# KiCad board Leopold Replacement.kicad_pcb (continued)
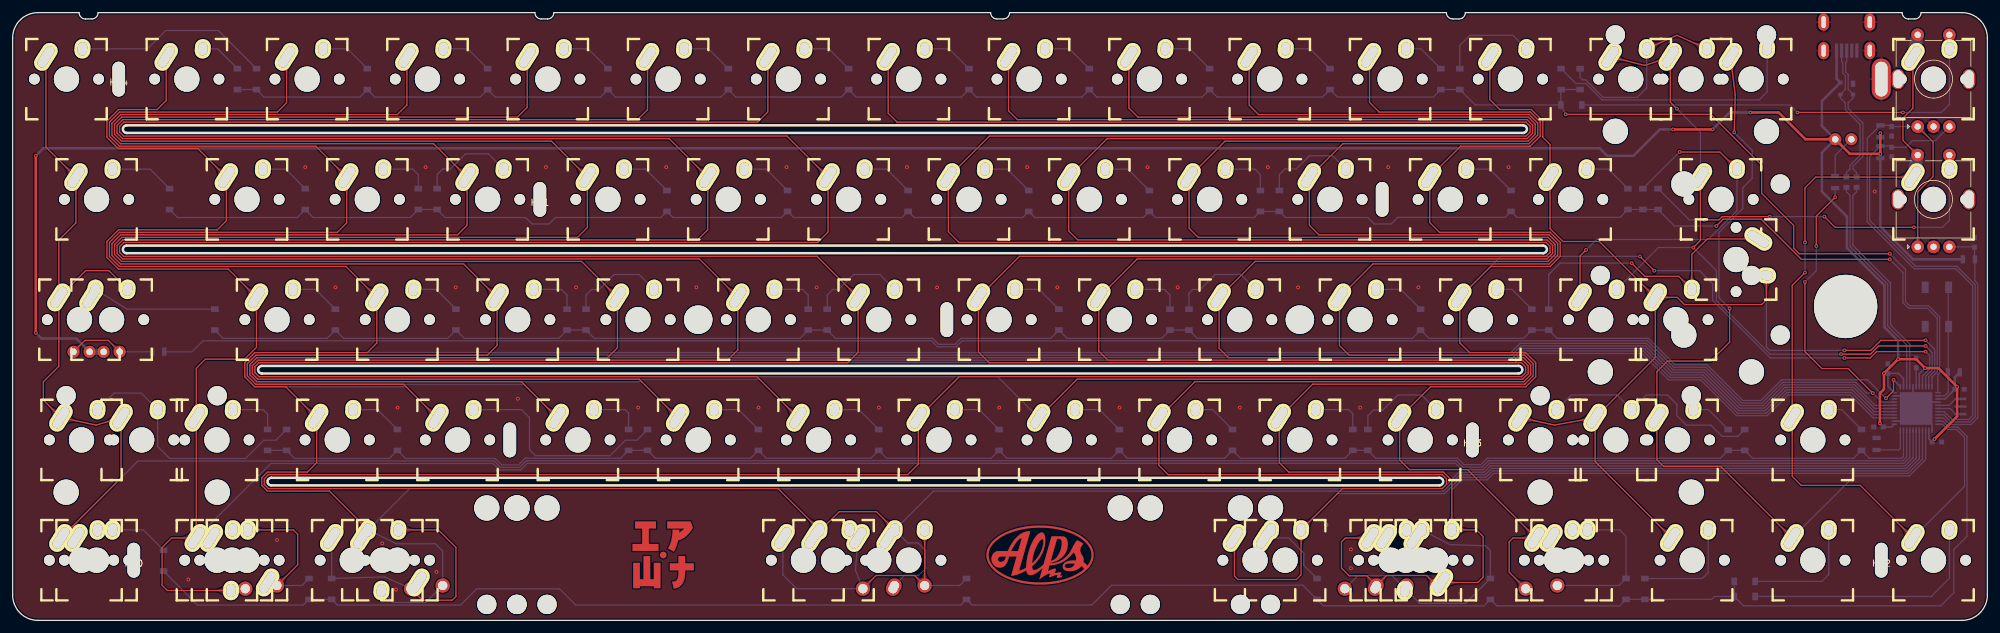
[diagram p0: board, top side]
## Copper pours and planes (outline as drawn; the poured copper is in the pictures) (continued)
Net-(D62-Pad2) on Bottom: 306.08,68.55 306.08,68.62 306.08,68.7 306.09,68.77 306.09,68.84 306.1,68.91 306.11,68.98 306.12,69.05 306.14,69.12 306.15,69.19 306.17,69.26 306.18,69.32 306.2,69.39 306.23,69.45 306.25,69.52 306.27,69.58 306.3,69.64 306.33,69.71 306.36,69.77 306.39,69.83 306.42,69.89 306.46,69.94 306.5,70 306.54,70.06 306.58,70.11 306.62,70.17 306.66,70.22 306.71,70.28 306.76,70.33 306.8,70.38 306.86,70.43 305.98,71.95 305.11,70.43 305.16,70.38 305.2,70.33 305.25,70.28 305.3,70.22 305.34,70.17 305.38,70.11 305.42,70.06 305.46,70 305.5,69.94 305.54,69.89 305.57,69.83 305.6,69.77 305.63,69.71 305.66,69.64 305.69,69.58 305.71,69.52 305.73,69.45 305.76,69.39 305.78,69.32 305.79,69.26 305.81,69.19 305.82,69.12 305.84,69.05 305.85,68.98 305.86,68.91 305.87,68.84 305.87,68.77 305.88,68.7 305.88,68.62 305.88,68.55
Net-(D63-Pad2) on Top: 64.76,3.33 64.71,3.37 64.66,3.42 64.62,3.47 64.58,3.52 64.54,3.57 64.5,3.62 64.47,3.67 64.43,3.72 64.4,3.77 64.36,3.82 64.33,3.88 64.31,3.93 64.28,3.99 64.25,4.04 64.23,4.1 64.21,4.15 64.19,4.21 64.17,4.27 64.15,4.32 64.13,4.38 64.12,4.44 64.11,4.5 64.09,4.56 64.08,4.62 64.08,4.68 64.07,4.74 64.06,4.8 64.06,4.87 64.06,4.93 64.06,4.99 62.54,5.4 62.95,3.88 63.01,3.88 63.07,3.88 63.14,3.88 63.2,3.87 63.26,3.86 63.32,3.86 63.38,3.85 63.44,3.83 63.5,3.82 63.56,3.81 63.62,3.79 63.67,3.77 63.73,3.75 63.79,3.73 63.84,3.71 63.9,3.69 63.95,3.66 64.01,3.63 64.06,3.61 64.12,3.58 64.17,3.54 64.22,3.51 64.27,3.47 64.32,3.44 64.37,3.4 64.42,3.36 64.47,3.32 64.52,3.28 64.57,3.23 64.61,3.18
Net-(D63-Pad2) on Top: 63.7,14.4 63.63,14.4 63.55,14.4 63.48,14.4 63.41,14.41 63.34,14.42 63.27,14.43 63.2,14.44 63.13,14.45 63.06,14.47 62.99,14.48 62.93,14.5 62.86,14.52 62.8,14.54 62.73,14.56 62.67,14.59 62.61,14.62 62.55,14.64 62.48,14.67 62.42,14.71 62.37,14.74 62.31,14.78 62.25,14.81 62.19,14.85 62.14,14.89 62.08,14.93 62.03,14.98 61.97,15.02 61.92,15.07 61.87,15.12 61.82,15.17 60.3,14.3 61.82,13.42 61.87,13.47 61.92,13.52 61.97,13.57 62.03,13.61 62.08,13.66 62.14,13.7 62.19,13.74 62.25,13.78 62.31,13.82 62.37,13.85 62.42,13.88 62.48,13.92 62.55,13.95 62.61,13.97 62.67,14 62.73,14.03 62.8,14.05 62.86,14.07 62.93,14.09 62.99,14.11 63.06,14.13 63.13,14.14 63.2,14.15 63.27,14.16 63.34,14.17 63.41,14.18 63.48,14.19 63.55,14.19 63.63,14.19 63.7,14.2
Net-(D63-Pad2) on Bottom: 60.63,5.92 60.69,5.89 60.75,5.86 60.81,5.83 60.87,5.8 60.92,5.77 60.97,5.74 61.03,5.7 61.08,5.67 61.13,5.63 61.18,5.59 61.22,5.56 61.27,5.52 61.32,5.48 61.36,5.43 61.4,5.39 61.44,5.35 61.48,5.3 61.52,5.25 61.56,5.21 61.59,5.16 61.63,5.11 61.66,5.06 61.69,5.01 61.72,4.95 61.75,4.9 61.78,4.84 61.81,4.79 61.83,4.73 61.86,4.67 61.88,4.61 63.45,4.78 62.52,6.05 62.46,6.03 62.4,6.01 62.34,5.99 62.28,5.97 62.22,5.95 62.16,5.94 62.1,5.93 62.04,5.92 61.98,5.91 61.92,5.9 61.86,5.89 61.8,5.89 61.74,5.89 61.68,5.89 61.62,5.89 61.56,5.89 61.5,5.89 61.44,5.9 61.38,5.91 61.32,5.92 61.26,5.93 61.2,5.94 61.14,5.96 61.08,5.97 61.02,5.99 60.96,6.01 60.9,6.03 60.84,6.05 60.78,6.08 60.71,6.1
Net-(D63-Pad2) on Bottom: 50.5,10.25 50.5,10.32 50.5,10.4 50.51,10.47 50.51,10.54 50.52,10.61 50.53,10.68 50.54,10.75 50.55,10.82 50.57,10.89 50.58,10.96 50.6,11.02 50.62,11.09 50.64,11.15 50.67,11.22 50.69,11.28 50.72,11.34 50.75,11.41 50.78,11.47 50.81,11.53 50.84,11.59 50.88,11.64 50.92,11.7 50.95,11.76 50.99,11.81 51.04,11.87 51.08,11.92 51.13,11.98 51.17,12.03 51.22,12.08 51.27,12.13 50.4,13.65 49.52,12.13 49.57,12.08 49.62,12.03 49.67,11.98 49.72,11.92 49.76,11.87 49.8,11.81 49.84,11.76 49.88,11.7 49.92,11.64 49.95,11.59 49.99,11.53 50.02,11.47 50.05,11.41 50.08,11.34 50.1,11.28 50.13,11.22 50.15,11.15 50.17,11.09 50.19,11.02 50.21,10.96 50.23,10.89 50.24,10.82 50.26,10.75 50.27,10.68 50.28,10.61 50.28,10.54 50.29,10.47 50.3,10.4 50.3,10.32 50.3,10.25
Net-(D64-Pad2) on Bottom: 267.96,11.52 267.96,11.59 267.96,11.67 267.97,11.74 267.97,11.81 267.98,11.88 267.99,11.95 268,12.02 268.02,12.09 268.03,12.16 268.05,12.23 268.06,12.29 268.08,12.36 268.11,12.42 268.13,12.49 268.15,12.55 268.18,12.61 268.21,12.68 268.24,12.74 268.27,12.8 268.3,12.86 268.34,12.91 268.38,12.97 268.42,13.03 268.46,13.08 268.5,13.14 268.54,13.19 268.59,13.25 268.64,13.3 268.68,13.35 268.73,13.4 267.86,14.92 266.98,13.4 267.04,13.35 267.08,13.3 267.13,13.25 267.18,13.19 267.22,13.14 267.26,13.08 267.3,13.03 267.34,12.97 267.38,12.91 267.42,12.86 267.45,12.8 267.48,12.74 267.51,12.68 267.54,12.61 267.57,12.55 267.59,12.49 267.61,12.42 267.64,12.36 267.66,12.29 267.67,12.23 267.69,12.16 267.7,12.09 267.72,12.02 267.73,11.95 267.74,11.88 267.75,11.81 267.75,11.74 267.76,11.67 267.76,11.59 267.76,11.52
Net-(D65-Pad2) on Bottom: 287.02,11.52 287.02,11.59 287.02,11.67 287.03,11.74 287.03,11.81 287.04,11.88 287.05,11.95 287.06,12.02 287.08,12.09 287.09,12.16 287.11,12.23 287.12,12.29 287.14,12.36 287.17,12.42 287.19,12.49 287.21,12.55 287.24,12.61 287.27,12.68 287.3,12.74 287.33,12.8 287.36,12.86 287.4,12.91 287.44,12.97 287.48,13.03 287.52,13.08 287.56,13.14 287.6,13.19 287.65,13.25 287.7,13.3 287.74,13.35 287.8,13.4 286.92,14.92 286.05,13.4 286.1,13.35 286.14,13.3 286.19,13.25 286.24,13.19 286.28,13.14 286.32,13.08 286.36,13.03 286.4,12.97 286.44,12.91 286.48,12.86 286.51,12.8 286.54,12.74 286.57,12.68 286.6,12.61 286.63,12.55 286.65,12.49 286.67,12.42 286.7,12.36 286.72,12.29 286.73,12.23 286.75,12.16 286.76,12.09 286.78,12.02 286.79,11.95 286.8,11.88 286.81,11.81 286.81,11.74 286.82,11.67 286.82,11.59 286.82,11.52
Net-(D66-Pad2) on Bottom: 306.08,11.52 306.08,11.59 306.08,11.67 306.09,11.74 306.09,11.81 306.1,11.88 306.11,11.95 306.12,12.02 306.14,12.09 306.15,12.16 306.17,12.23 306.18,12.29 306.2,12.36 306.23,12.42 306.25,12.49 306.27,12.55 306.3,12.61 306.33,12.68 306.36,12.74 306.39,12.8 306.42,12.86 306.46,12.91 306.5,12.97 306.54,13.03 306.58,13.08 306.62,13.14 306.66,13.19 306.71,13.25 306.76,13.3 306.8,13.35 306.86,13.4 305.98,14.92 305.11,13.4 305.16,13.35 305.2,13.3 305.25,13.25 305.3,13.19 305.34,13.14 305.38,13.08 305.42,13.03 305.46,12.97 305.5,12.91 305.54,12.86 305.57,12.8 305.6,12.74 305.63,12.68 305.66,12.61 305.69,12.55 305.71,12.49 305.73,12.42 305.76,12.36 305.78,12.29 305.79,12.23 305.81,12.16 305.82,12.09 305.84,12.02 305.85,11.95 305.86,11.88 305.87,11.81 305.87,11.74 305.88,11.67 305.88,11.59 305.88,11.52
Net-(D67-Pad2) on Bottom: 200.55,13.13 200.48,13.13 200.4,13.13 200.33,13.13 200.26,13.14 200.19,13.15 200.12,13.16 200.05,13.17 199.98,13.18 199.91,13.2 199.84,13.21 199.78,13.23 199.71,13.25 199.65,13.27 199.58,13.29 199.52,13.32 199.46,13.35 199.4,13.37 199.34,13.4 199.28,13.44 199.22,13.47 199.16,13.51 199.1,13.54 199.04,13.58 198.99,13.62 198.93,13.66 198.88,13.71 198.82,13.75 198.77,13.8 198.72,13.85 198.67,13.9 197.15,13.03 198.67,12.15 198.72,12.2 198.77,12.25 198.82,12.3 198.88,12.34 198.93,12.39 198.99,12.43 199.04,12.47 199.1,12.51 199.16,12.55 199.22,12.58 199.28,12.61 199.34,12.65 199.4,12.68 199.46,12.7 199.52,12.73 199.58,12.76 199.65,12.78 199.71,12.8 199.78,12.82 199.84,12.84 199.91,12.86 199.98,12.87 200.05,12.88 200.12,12.89 200.19,12.9 200.26,12.91 200.33,12.92 200.4,12.92 200.48,12.92 200.55,12.93
Net-(D68-Pad2) on Bottom: 225.12,13.1 225.05,13.13 224.99,13.17 224.93,13.21 224.86,13.25 224.8,13.29 224.75,13.33 224.69,13.37 224.63,13.41 224.58,13.46 224.53,13.5 224.48,13.55 224.43,13.6 224.38,13.65 224.34,13.7 224.29,13.75 224.25,13.8 224.21,13.85 224.17,13.91 224.13,13.96 224.09,14.02 224.06,14.08 224.02,14.14 223.99,14.2 223.96,14.26 223.93,14.33 223.9,14.39 223.88,14.45 223.85,14.52 223.83,14.59 223.81,14.66 222.06,14.58 223,13.11 223.07,13.13 223.13,13.15 223.2,13.16 223.27,13.18 223.34,13.19 223.41,13.21 223.48,13.22 223.54,13.22 223.61,13.23 223.68,13.23 223.75,13.24 223.82,13.24 223.88,13.24 223.95,13.23 224.02,13.23 224.09,13.22 224.15,13.21 224.22,13.2 224.29,13.19 224.36,13.17 224.42,13.16 224.49,13.14 224.56,13.12 224.62,13.09 224.69,13.07 224.76,13.04 224.83,13.02 224.89,12.99 224.96,12.95 225.02,12.92
Net-(D68-Pad2) on Bottom: 221.79,3.33 221.74,3.37 221.7,3.42 221.65,3.47 221.61,3.52 221.57,3.57 221.53,3.62 221.5,3.67 221.46,3.72 221.43,3.77 221.4,3.82 221.37,3.88 221.34,3.93 221.31,3.99 221.29,4.04 221.26,4.1 221.24,4.15 221.22,4.21 221.2,4.27 221.18,4.32 221.17,4.38 221.15,4.44 221.14,4.5 221.13,4.56 221.12,4.62 221.11,4.68 221.1,4.74 221.1,4.8 221.09,4.87 221.09,4.93 221.09,4.99 219.57,5.4 219.98,3.88 220.04,3.88 220.11,3.88 220.17,3.88 220.23,3.87 220.29,3.86 220.35,3.86 220.41,3.85 220.47,3.83 220.53,3.82 220.59,3.81 220.65,3.79 220.71,3.77 220.76,3.75 220.82,3.73 220.88,3.71 220.93,3.69 220.99,3.66 221.04,3.63 221.09,3.61 221.15,3.58 221.2,3.54 221.25,3.51 221.3,3.47 221.35,3.44 221.4,3.4 221.45,3.36 221.5,3.32 221.55,3.28 221.6,3.23 221.65,3.18
Net-(D68-Pad2) on Bottom: 222,3.11 221.95,3.15 221.9,3.18 221.85,3.22 221.8,3.26 221.75,3.3 221.71,3.34 221.67,3.38 221.63,3.42 221.59,3.47 221.55,3.51 221.52,3.56 221.48,3.61 221.45,3.66 221.42,3.71 221.39,3.76 221.37,3.82 221.34,3.87 221.32,3.93 221.3,3.99 221.28,4.04 221.27,4.1 221.25,4.17 221.24,4.23 221.23,4.29 221.22,4.36 221.21,4.42 221.2,4.49 221.2,4.56 221.2,4.63 221.2,4.7 219.51,5.16 219.96,3.47 221.86,2.97
Net-(D68-Pad2) on Bottom: 221.79,3.33 221.34,5.49 219.82,5.9 220.23,4.38 220.29,4.38 220.35,4.38 220.41,4.37 220.47,4.36 220.53,4.35 220.59,4.34 220.65,4.32 220.7,4.3 220.76,4.28 220.81,4.25 220.86,4.22 220.92,4.19 220.97,4.16 221.01,4.12 221.06,4.09 221.11,4.05 221.15,4 221.2,3.95 221.24,3.91 221.29,3.85 221.33,3.8 221.37,3.74 221.41,3.68 221.44,3.62 221.48,3.55 221.52,3.48 221.55,3.41 221.58,3.34 221.62,3.26 221.65,3.18
Net-(D68-Pad2) on Bottom: 212.14,6.83 212.09,6.78 212.05,6.73 212,6.69 211.95,6.65 211.9,6.61 211.85,6.57 211.8,6.54 211.75,6.5 211.7,6.47 211.64,6.44 211.59,6.4 211.54,6.38 211.48,6.35 211.43,6.32 211.37,6.3 211.32,6.28 211.26,6.26 211.2,6.24 211.14,6.22 211.09,6.2 211.03,6.19 210.97,6.18 210.91,6.16 210.85,6.15 210.79,6.15 210.73,6.14 210.66,6.14 210.6,6.13 210.54,6.13 210.47,6.13 210.06,4.61 211.59,5.02 211.59,5.08 211.59,5.14 211.59,5.21 211.6,5.27 211.6,5.33 211.61,5.39 211.62,5.45 211.63,5.51 211.65,5.57 211.66,5.63 211.68,5.69 211.69,5.75 211.71,5.8 211.73,5.86 211.76,5.91 211.78,5.97 211.81,6.02 211.83,6.08 211.86,6.13 211.89,6.19 211.92,6.24 211.96,6.29 211.99,6.34 212.03,6.39 212.07,6.44 212.11,6.49 212.15,6.54 212.19,6.59 212.24,6.64 212.28,6.68
Net-(D68-Pad2) on Bottom: 218.15,6.68 218.19,6.64 218.24,6.59 218.28,6.54 218.32,6.49 218.36,6.44 218.4,6.39 218.44,6.34 218.47,6.29 218.51,6.24 218.54,6.19 218.57,6.13 218.6,6.08 218.62,6.02 218.65,5.97 218.67,5.91 218.7,5.86 218.72,5.8 218.74,5.75 218.75,5.69 218.77,5.63 218.78,5.57 218.8,5.51 218.81,5.45 218.82,5.39 218.83,5.33 218.83,5.27 218.84,5.21 218.84,5.14 218.84,5.08 218.84,5.02 220.36,4.61 219.96,6.13 219.89,6.13 219.83,6.13 219.77,6.14 219.7,6.14 219.64,6.15 219.58,6.15 219.52,6.16 219.46,6.18 219.4,6.19 219.34,6.2 219.28,6.22 219.23,6.24 219.17,6.26 219.11,6.28 219.06,6.3 219,6.32 218.95,6.35 218.89,6.38 218.84,6.4 218.79,6.44 218.73,6.47 218.68,6.5 218.63,6.54 218.58,6.57 218.53,6.61 218.48,6.65 218.43,6.69 218.38,6.73 218.34,6.78 218.29,6.83
Net-(D68-Pad2) on Bottom: 217.93,6.9 217.98,6.83 218.03,6.75 218.08,6.68 218.13,6.61 218.17,6.54 218.21,6.46 218.25,6.39 218.29,6.32 218.33,6.25 218.36,6.17 218.4,6.1 218.43,6.03 218.46,5.96 218.49,5.89 218.51,5.81 218.54,5.74 218.56,5.67 218.58,5.6 218.6,5.52 218.62,5.45 218.63,5.38 218.65,5.31 218.66,5.23 218.67,5.16 218.68,5.09 218.69,5.02 218.69,4.94 218.7,4.87 218.7,4.8 218.7,4.73 220.39,4.27 219.94,5.97 219.86,5.97 219.79,5.97 219.72,5.97 219.65,5.98 219.58,5.99 219.51,6 219.45,6.02 219.38,6.04 219.31,6.06 219.25,6.08 219.18,6.1 219.12,6.13 219.05,6.16 218.99,6.19 218.93,6.23 218.87,6.27 218.81,6.3 218.74,6.35 218.69,6.39 218.63,6.44 218.57,6.49 218.51,6.54 218.45,6.59 218.4,6.65 218.34,6.71 218.29,6.77 218.23,6.83 218.18,6.9 218.13,6.97 218.07,7.04
Net-(D68-Pad2) on Bottom: 218.15,6.68 218.21,6.67 218.27,6.65 218.33,6.64 218.38,6.62 218.44,6.59 218.49,6.57 218.54,6.55 218.59,6.52 218.63,6.49 218.67,6.46 218.72,6.43 218.75,6.4 218.79,6.36 218.83,6.33 218.86,6.29 218.89,6.25 218.92,6.21 218.94,6.17 218.97,6.12 218.99,6.07 219.01,6.03 219.03,5.98 219.04,5.92 219.06,5.87 219.07,5.82 219.08,5.76 219.08,5.7 219.09,5.64 219.09,5.58 219.09,5.52 220.61,5.11 220.2,6.63 218.29,6.83
Net-(D69-Pad2) on Bottom: 246.5,5.61 246.44,5.61 246.37,5.61 246.31,5.61 246.24,5.62 246.18,5.62 246.12,5.63 246.05,5.64 245.99,5.65 245.93,5.67 245.87,5.68 245.81,5.7 245.76,5.72 245.7,5.73 245.64,5.76 245.59,5.78 245.53,5.8 245.48,5.83 245.42,5.85 245.37,5.88 245.32,5.91 245.26,5.94 245.21,5.98 245.16,6.01 245.11,6.05 245.06,6.08 245.02,6.12 244.97,6.16 244.92,6.2 244.88,6.25 244.83,6.29 243.47,5.51 244.83,4.72 244.88,4.76 244.92,4.81 244.97,4.85 245.02,4.89 245.06,4.93 245.11,4.97 245.16,5 245.21,5.04 245.26,5.07 245.32,5.1 245.37,5.13 245.42,5.16 245.48,5.18 245.53,5.21 245.59,5.23 245.64,5.26 245.7,5.28 245.76,5.3 245.81,5.31 245.87,5.33 245.93,5.34 245.99,5.36 246.05,5.37 246.12,5.38 246.18,5.39 246.24,5.39 246.31,5.4 246.37,5.4 246.44,5.4 246.5,5.41
Net-(D69-Pad2) on Bottom: 251.58,14.4 251.5,14.4 251.43,14.4 251.36,14.4 251.28,14.41 251.21,14.42 251.14,14.43 251.07,14.44 251,14.45 250.93,14.47 250.87,14.48 250.8,14.5 250.74,14.52 250.67,14.54 250.61,14.56 250.54,14.59 250.48,14.62 250.42,14.64 250.36,14.67 250.3,14.71 250.24,14.74 250.18,14.78 250.12,14.81 250.07,14.85 250.01,14.89 249.96,14.93 249.9,14.98 249.85,15.02 249.8,15.07 249.74,15.12 249.69,15.17 248.18,14.3 249.69,13.42 249.74,13.47 249.8,13.52 249.85,13.57 249.9,13.61 249.96,13.66 250.01,13.7 250.07,13.74 250.12,13.78 250.18,13.82 250.24,13.85 250.3,13.88 250.36,13.92 250.42,13.95 250.48,13.97 250.54,14 250.61,14.03 250.67,14.05 250.74,14.07 250.8,14.09 250.87,14.11 250.93,14.13 251,14.14 251.07,14.15 251.14,14.16 251.21,14.17 251.28,14.18 251.36,14.19 251.43,14.19 251.5,14.19 251.58,14.2
Net-(D70-Pad2) on Top: 142.42,7.02 142.95,5.52 144.47,5.11 144.06,6.63 142.56,7.16
Net-(D70-Pad2) on Top: 136,6.83 135.95,6.78 135.91,6.73 135.86,6.69 135.81,6.65 135.76,6.61 135.71,6.57 135.66,6.54 135.61,6.5 135.56,6.47 135.5,6.44 135.45,6.4 135.4,6.38 135.34,6.35 135.29,6.32 135.23,6.3 135.18,6.28 135.12,6.26 135.06,6.24 135,6.22 134.95,6.2 134.89,6.19 134.83,6.18 134.77,6.16 134.71,6.15 134.65,6.15 134.59,6.14 134.52,6.14 134.46,6.13 134.4,6.13 134.33,6.13 133.92,4.61 135.45,5.02 135.45,5.08 135.45,5.14 135.45,5.21 135.46,5.27 135.46,5.33 135.47,5.39 135.48,5.45 135.49,5.51 135.51,5.57 135.52,5.63 135.54,5.69 135.55,5.75 135.57,5.8 135.59,5.86 135.62,5.91 135.64,5.97 135.67,6.02 135.69,6.08 135.72,6.13 135.75,6.19 135.78,6.24 135.82,6.29 135.85,6.34 135.89,6.39 135.93,6.44 135.97,6.49 136.01,6.54 136.05,6.59 136.1,6.64 136.14,6.68
Net-(D70-Pad2) on Top: 143.98,7.98 143.98,7.91 143.98,7.85 143.97,7.78 143.97,7.72 143.96,7.66 143.95,7.59 143.94,7.53 143.93,7.47 143.92,7.41 143.9,7.35 143.89,7.29 143.87,7.23 143.85,7.18 143.83,7.12 143.81,7.06 143.78,7.01 143.76,6.95 143.73,6.9 143.7,6.85 143.67,6.79 143.64,6.74 143.61,6.69 143.57,6.64 143.54,6.59 143.5,6.54 143.46,6.5 143.42,6.45 143.38,6.4 143.33,6.36 143.29,6.31 144.07,4.94 144.86,6.31 144.82,6.35 144.78,6.4 144.73,6.45 144.69,6.49 144.65,6.54 144.62,6.59 144.58,6.64 144.55,6.69 144.51,6.74 144.48,6.79 144.45,6.85 144.43,6.9 144.4,6.95 144.37,7.01 144.35,7.06 144.33,7.12 144.31,7.18 144.29,7.23 144.27,7.29 144.26,7.35 144.24,7.41 144.23,7.47 144.22,7.53 144.21,7.59 144.2,7.66 144.19,7.72 144.19,7.78 144.18,7.85 144.18,7.91 144.18,7.98
Net-(D70-Pad2) on Top: 144.19,11.52 144.19,11.59 144.19,11.67 144.2,11.74 144.2,11.81 144.21,11.88 144.22,11.95 144.23,12.02 144.24,12.09 144.26,12.16 144.28,12.23 144.29,12.29 144.31,12.36 144.34,12.42 144.36,12.49 144.38,12.55 144.41,12.61 144.44,12.68 144.47,12.74 144.5,12.8 144.54,12.85 144.57,12.91 144.61,12.97 144.65,13.03 144.69,13.08 144.73,13.14 144.77,13.19 144.82,13.25 144.87,13.3 144.92,13.35 144.97,13.4 144.1,14.92 143.22,13.4 143.27,13.35 143.32,13.3 143.36,13.25 143.41,13.2 143.45,13.14 143.5,13.09 143.54,13.03 143.57,12.97 143.61,12.92 143.65,12.86 143.68,12.8 143.71,12.74 143.74,12.68 143.77,12.62 143.8,12.55 143.82,12.49 143.84,12.43 143.87,12.36 143.89,12.29 143.9,12.23 143.92,12.16 143.93,12.09 143.95,12.02 143.96,11.95 143.97,11.88 143.98,11.81 143.98,11.74 143.99,11.67 143.99,11.59 143.99,11.52
Net-(D70-Pad2) on Bottom: 146.55,5.61 146.48,5.61 146.42,5.61 146.35,5.61 146.29,5.62 146.23,5.62 146.16,5.63 146.1,5.64 146.04,5.65 145.98,5.67 145.92,5.68 145.86,5.7 145.8,5.72 145.75,5.73 145.69,5.76 145.63,5.78 145.58,5.8 145.52,5.83 145.47,5.85 145.42,5.88 145.36,5.91 145.31,5.94 145.26,5.98 145.21,6.01 145.16,6.05 145.11,6.08 145.06,6.12 145.02,6.16 144.97,6.2 144.92,6.25 144.88,6.29 143.51,5.51 144.88,4.72 144.92,4.76 144.97,4.81 145.02,4.85 145.06,4.89 145.11,4.93 145.16,4.97 145.21,5 145.26,5.04 145.31,5.07 145.36,5.1 145.42,5.13 145.47,5.16 145.52,5.18 145.58,5.21 145.63,5.23 145.69,5.26 145.75,5.28 145.8,5.3 145.86,5.31 145.92,5.33 145.98,5.34 146.04,5.36 146.1,5.37 146.16,5.38 146.23,5.39 146.29,5.39 146.35,5.4 146.42,5.4 146.48,5.4 146.55,5.41
Net-(D70-Pad2) on Bottom: 131.85,4.91 131.91,4.9 131.98,4.9 132.04,4.9 132.11,4.89 132.17,4.89 132.23,4.88 132.3,4.87 132.36,4.86 132.42,4.84 132.48,4.83 132.54,4.81 132.59,4.8 132.65,4.78 132.71,4.76 132.76,4.73 132.82,4.71 132.87,4.68 132.93,4.66 132.98,4.63 133.03,4.6 133.09,4.57 133.14,4.54 133.19,4.5 133.24,4.47 133.29,4.43 133.33,4.39 133.38,4.35 133.43,4.31 133.47,4.26 133.52,4.22 134.88,5.01 133.52,5.79 133.47,5.75 133.43,5.7 133.38,5.66 133.33,5.62 133.29,5.58 133.24,5.55 133.19,5.51 133.14,5.48 133.09,5.44 133.03,5.41 132.98,5.38 132.93,5.35 132.87,5.33 132.82,5.3 132.76,5.28 132.71,5.26 132.65,5.23 132.59,5.22 132.54,5.2 132.48,5.18 132.42,5.17 132.36,5.15 132.3,5.14 132.23,5.13 132.17,5.12 132.11,5.12 132.04,5.11 131.98,5.11 131.91,5.11 131.85,5.11
Net-(D70-Pad2) on Bottom: 121.79,10.25 121.79,10.32 121.79,10.4 121.79,10.47 121.8,10.54 121.81,10.61 121.82,10.68 121.83,10.75 121.84,10.82 121.86,10.89 121.87,10.96 121.89,11.02 121.91,11.09 121.93,11.15 121.95,11.22 121.98,11.28 122.01,11.34 122.03,11.41 122.06,11.47 122.1,11.53 122.13,11.59 122.17,11.64 122.2,11.7 122.24,11.76 122.28,11.81 122.32,11.87 122.37,11.92 122.41,11.98 122.46,12.03 122.51,12.08 122.56,12.13 121.69,13.65 120.81,12.13 120.86,12.08 120.91,12.03 120.96,11.98 121,11.92 121.05,11.87 121.09,11.81 121.13,11.76 121.17,11.7 121.21,11.64 121.24,11.59 121.28,11.53 121.31,11.47 121.34,11.41 121.37,11.34 121.39,11.28 121.42,11.22 121.44,11.15 121.46,11.09 121.48,11.02 121.5,10.96 121.52,10.89 121.53,10.82 121.54,10.75 121.56,10.68 121.56,10.61 121.57,10.54 121.58,10.47 121.58,10.4 121.59,10.32 121.59,10.25
Net-(D70-Pad2) on Bottom: 133.43,10.25 133.44,10.32 133.45,10.4 133.46,10.47 133.47,10.54 133.48,10.61 133.5,10.68 133.52,10.75 133.54,10.82 133.56,10.88 133.58,10.95 133.6,11.01 133.63,11.08 133.65,11.14 133.68,11.2 133.71,11.26 133.74,11.32 133.78,11.38 133.81,11.44 133.85,11.5 133.89,11.55 133.93,11.61 133.97,11.66 134.01,11.72 134.06,11.77 134.11,11.82 134.15,11.87 134.2,11.92 134.26,11.97 134.31,12.02 134.36,12.06 133.62,13.65 132.62,12.21 132.67,12.15 132.71,12.1 132.75,12.04 132.79,11.99 132.83,11.93 132.87,11.87 132.91,11.81 132.94,11.75 132.97,11.69 133,11.63 133.03,11.57 133.06,11.5 133.08,11.44 133.11,11.38 133.13,11.31 133.15,11.25 133.16,11.18 133.18,11.12 133.19,11.05 133.21,10.98 133.22,10.91 133.23,10.84 133.23,10.77 133.24,10.7 133.24,10.63 133.24,10.56 133.24,10.49 133.24,10.42 133.24,10.34 133.23,10.27
Net-(D70-Pad2) on Bottom: 133.3,7.26 133.33,7.2 133.35,7.14 133.37,7.08 133.39,7.02 133.41,6.96 133.42,6.89 133.44,6.83 133.45,6.77 133.46,6.71 133.47,6.65 133.48,6.59 133.48,6.53 133.48,6.47 133.49,6.41 133.49,6.35 133.49,6.29 133.48,6.23 133.48,6.17 133.47,6.11 133.46,6.05 133.45,5.99 133.44,5.93 133.43,5.87 133.42,5.81 133.4,5.75 133.38,5.69 133.36,5.63 133.34,5.57 133.32,5.51 133.29,5.46 134.53,4.48 134.75,6.05 134.69,6.07 134.64,6.1 134.58,6.12 134.52,6.15 134.47,6.18 134.42,6.21 134.36,6.25 134.31,6.28 134.26,6.32 134.22,6.35 134.17,6.39 134.12,6.43 134.08,6.47 134.03,6.51 133.99,6.55 133.95,6.6 133.91,6.64 133.87,6.69 133.83,6.73 133.8,6.78 133.76,6.83 133.72,6.88 133.69,6.94 133.66,6.99 133.63,7.04 133.6,7.1 133.57,7.16 133.54,7.22 133.51,7.28 133.49,7.34
Net-(D72-Pad1) on Bottom: 289.09,74.51 290.46,75.09 290.81,76.38 289.52,76.03 288.95,74.66

Small or netless copper shapes (teardrops, artwork), in the pictures only: 51 on Top, 48 on Bottom
